# Altium PCB 单相7.2V驱动.PcbDoc (continued)
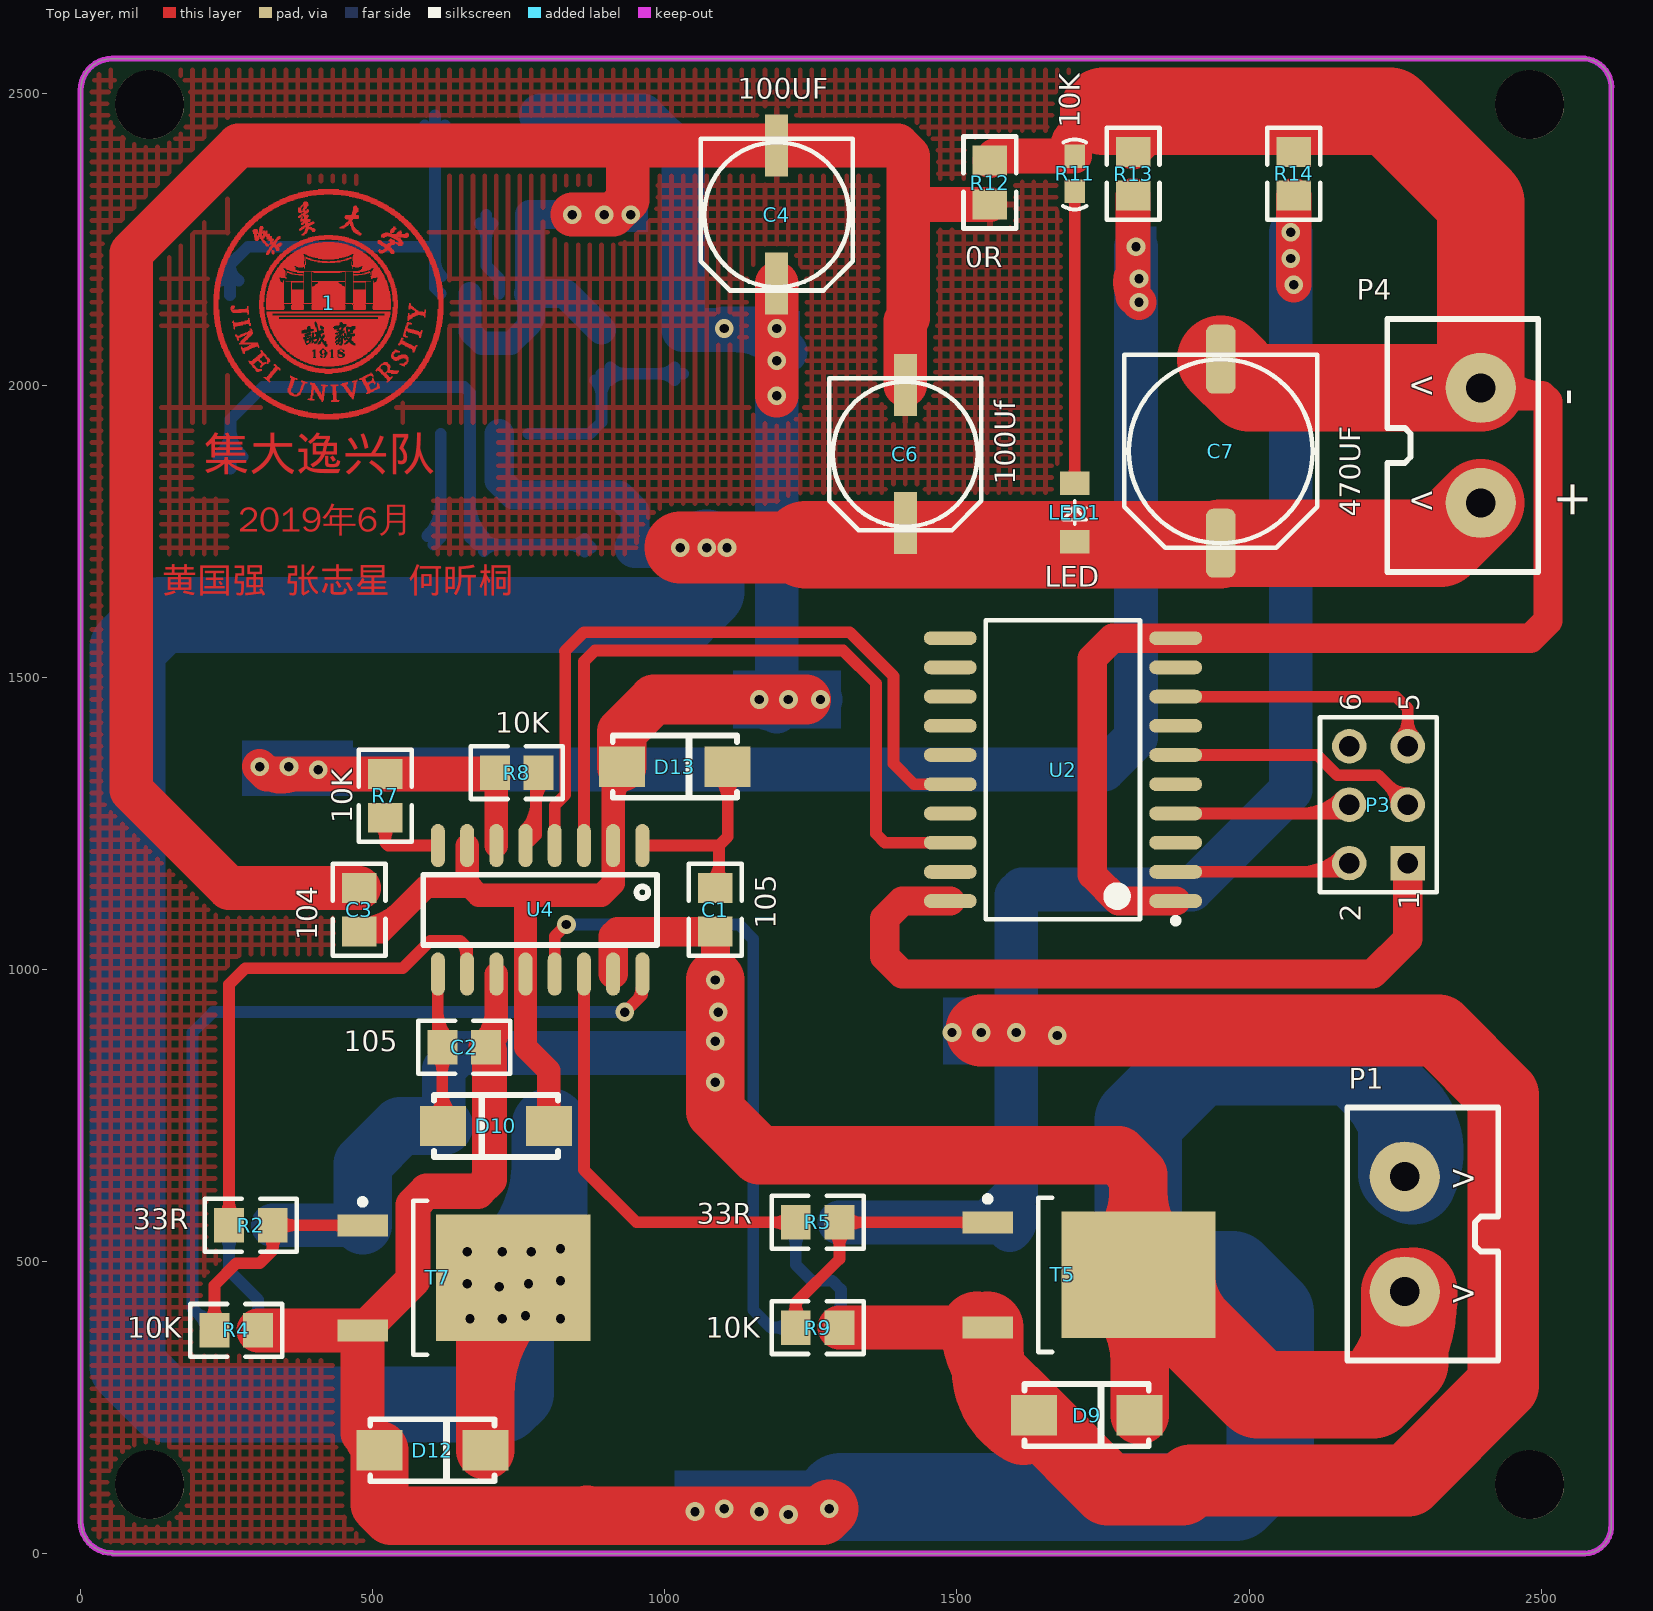
[diagram p0: Top Layer view]
## Footprints (in the part's own frame and the unit in brackets; to place one, negate y for a bottom-side part, rotate by r counter-clockwise, add the part's x,y. Pads: shape width x height; smd on the part's side, far side on the other; paste and mask are expansions set on the pad) (continued)
  Top Layer region: 114.8,-79.9 116.8,-79.9 116.8,-80.9 118.8,-80.9 118.8,-81.9 120.8,-81.9 120.8,-83.9 112.8,-83.9 112.8,-84.9 111.8,-84.9 111.8,-85.9 110.8,-85.9 110.8,-86.9 109.8,-86.9 109.8,-89.9 110.8,-89.9 110.8,-90.9 111.8,-90.9 111.8,-91.9 116.8,-91.9 116.8,-90.9 118.8,-90.9 118.8,-89.9 120.8,-89.9 120.8,-88.9 123.8,-88.9 123.8,-87.9 131.8,-87.9 131.8,-88.9 132.8,-88.9 132.8,-89.9 133.8,-89.9 133.8,-90.9 134.8,-90.9 134.8,-91.9 135.8,-91.9 135.8,-99.9 134.8,-99.9 134.8,-100.9 133.8,-100.9 133.8,-102.9 132.8,-102.9 132.8,-103.9 131.8,-103.9 131.8,-104.9 129.8,-104.9 129.8,-107.9 127.8,-107.9 127.8,-106.9 125.8,-106.9 125.8,-105.9 123.8,-105.9 123.8,-104.9 120.8,-104.9 120.8,-102.9 128.8,-102.9 128.8,-101.9 130.8,-101.9 130.8,-100.9 131.8,-100.9 131.8,-99.9 132.8,-99.9 132.8,-95.9 131.8,-95.9 131.8,-93.9 128.8,-93.9 128.8,-92.9 126.8,-92.9 126.8,-93.9 123.8,-93.9 123.8,-94.9 121.8,-94.9 121.8,-95.9 119.8,-95.9 119.8,-96.9 115.8,-96.9 115.8,-97.9 113.8,-97.9 113.8,-96.9 110.8,-96.9 110.8,-95.9 109.8,-95.9 109.8,-94.9 108.8,-94.9 108.8,-93.9 107.8,-93.9 107.8,-91.9 106.8,-91.9 106.8,-87.9 107.8,-87.9 107.8,-85.9 108.8,-85.9 108.8,-83.9 109.8,-83.9 109.8,-82.9 110.8,-82.9 110.8,-81.9 112.8,-81.9 112.8,-78.9 114.8,-78.9
  Top Layer region: 48.8,-132.9 47.8,-132.9 47.8,-133.9 46.8,-133.9 46.8,-137.9 45.8,-137.9 45.8,-143.9 44.8,-143.9 44.8,-149.9 43.8,-149.9 43.8,-154.9 42.8,-154.9 42.8,-155.9 43.8,-155.9 43.8,-156.9 42.8,-156.9 42.8,-161.9 41.8,-161.9 41.8,-163.9 40.8,-163.9 40.8,-162.9 39.8,-162.9 39.8,-161.9 38.8,-161.9 38.8,-160.9 37.8,-160.9 37.8,-159.9 36.8,-159.9 36.8,-157.9 35.8,-157.9 35.8,-156.9 34.8,-156.9 34.8,-155.9 33.8,-155.9 33.8,-153.9 32.8,-153.9 32.8,-152.9 31.8,-152.9 31.8,-151.9 30.8,-151.9 30.8,-149.9 29.8,-149.9 29.8,-148.9 28.8,-148.9 28.8,-146.9 27.8,-146.9 27.8,-145.9 26.8,-145.9 26.8,-144.9 25.8,-144.9 25.8,-142.9 24.8,-142.9 24.8,-141.9 23.8,-141.9 23.8,-140.9 22.8,-140.9 22.8,-139.9 19.8,-139.9 19.8,-137.9 22.8,-137.9 22.8,-136.9 26.8,-136.9 26.8,-135.9 30.8,-135.9 30.8,-134.9 31.8,-134.9 31.8,-137.9 28.8,-137.9 28.8,-138.9 29.8,-138.9 29.8,-140.9 30.8,-140.9 30.8,-142.9 31.8,-142.9 31.8,-143.9 32.8,-143.9 32.8,-144.9 33.8,-144.9 33.8,-146.9 34.8,-146.9 34.8,-147.9 35.8,-147.9 35.8,-148.9 36.8,-148.9 36.8,-150.9 37.8,-150.9 37.8,-151.9 38.8,-151.9 38.8,-152.9 39.8,-152.9 39.8,-153.9 40.8,-153.9 40.8,-148.9 41.8,-148.9 41.8,-143.9 42.8,-143.9 42.8,-136.9 43.8,-136.9 43.8,-134.9 39.8,-134.9 39.8,-132.9 42.8,-132.9 42.8,-131.9 47.8,-131.9 47.8,-130.9 48.8,-130.9
  Top Layer region: 136.8,-32.9 139.8,-32.9 139.8,-33.9 141.8,-33.9 141.8,-35.9 135.8,-35.9 135.8,-37.9 134.8,-37.9 134.8,-39.9 133.8,-39.9 133.8,-41.9 134.8,-41.9 134.8,-42.9 137.8,-42.9 137.8,-43.9 140.8,-43.9 140.8,-44.9 144.8,-44.9 144.8,-45.9 147.8,-45.9 147.8,-46.9 150.8,-46.9 150.8,-47.9 153.8,-47.9 153.8,-48.9 156.8,-48.9 156.8,-47.9 157.8,-47.9 157.8,-45.9 159.8,-45.9 159.8,-48.9 158.8,-48.9 158.8,-51.9 157.8,-51.9 157.8,-55.9 156.8,-55.9 156.8,-58.9 154.8,-58.9 154.8,-54.9 153.8,-54.9 153.8,-53.9 151.8,-53.9 151.8,-52.9 148.8,-52.9 148.8,-51.9 145.8,-51.9 145.8,-50.9 142.8,-50.9 142.8,-49.9 138.8,-49.9 138.8,-48.9 135.8,-48.9 135.8,-47.9 132.8,-47.9 132.8,-46.9 131.8,-46.9 131.8,-49.9 130.8,-49.9 130.8,-53.9 131.8,-53.9 131.8,-55.9 133.8,-55.9 133.8,-56.9 134.8,-56.9 134.8,-57.9 130.8,-57.9 130.8,-56.9 127.8,-56.9 127.8,-55.9 126.8,-55.9 126.8,-53.9 127.8,-53.9 127.8,-49.9 128.8,-49.9 128.8,-46.9 129.8,-46.9 129.8,-43.9 130.8,-43.9 130.8,-40.9 131.8,-40.9 131.8,-37.9 132.8,-37.9 132.8,-33.9 133.8,-33.9 133.8,-31.9 136.8,-31.9
  Top Layer region: -162.2,-4.9 -161.2,-4.9 -161.2,-6.9 -162.2,-6.9 -162.2,-7.9 -163.2,-7.9 -163.2,-8.9 -165.2,-8.9 -165.2,-10.9 -154.2,-10.9 -154.2,-9.9 -142.2,-9.9 -142.2,-8.9 -140.2,-8.9 -140.2,-4.9 -138.2,-4.9 -138.2,-11.9 -137.2,-11.9 -137.2,-17.9 -138.2,-17.9 -138.2,-18.9 -139.2,-18.9 -139.2,-15.9 -140.2,-15.9 -140.2,-14.9 -150.2,-14.9 -150.2,-15.9 -164.2,-15.9 -164.2,-14.9 -165.2,-14.9 -165.2,-13.9 -166.2,-13.9 -166.2,-12.9 -167.2,-12.9 -167.2,-10.9 -168.2,-10.9 -168.2,-6.9 -167.2,-6.9 -167.2,-4.9 -166.2,-4.9 -166.2,-3.9 -162.2,-3.9
  Top Layer region: 125.8,-59.9 126.8,-59.9 126.8,-60.9 125.8,-60.9 125.8,-63.9 126.8,-63.9 126.8,-64.9 128.8,-64.9 128.8,-65.9 130.8,-65.9 130.8,-66.9 132.8,-66.9 132.8,-67.9 134.8,-67.9 134.8,-68.9 136.8,-68.9 136.8,-69.9 138.8,-69.9 138.8,-70.9 140.8,-70.9 140.8,-71.9 142.8,-71.9 142.8,-72.9 144.8,-72.9 144.8,-73.9 147.8,-73.9 147.8,-72.9 148.8,-72.9 148.8,-71.9 150.8,-71.9 150.8,-72.9 149.8,-72.9 149.8,-74.9 148.8,-74.9 148.8,-77.9 147.8,-77.9 147.8,-79.9 146.8,-79.9 146.8,-81.9 145.8,-81.9 145.8,-83.9 143.8,-83.9 143.8,-78.9 142.8,-78.9 142.8,-77.9 140.8,-77.9 140.8,-76.9 137.8,-76.9 137.8,-75.9 136.8,-75.9 136.8,-74.9 134.8,-74.9 134.8,-73.9 132.8,-73.9 132.8,-72.9 130.8,-72.9 130.8,-71.9 128.8,-71.9 128.8,-70.9 126.8,-70.9 126.8,-69.9 124.8,-69.9 124.8,-68.9 122.8,-68.9 122.8,-69.9 121.8,-69.9 121.8,-70.9 120.8,-70.9 120.8,-71.9 119.8,-71.9 119.8,-70.9 118.8,-70.9 118.8,-69.9 119.8,-69.9 119.8,-67.9 120.8,-67.9 120.8,-65.9 121.8,-65.9 121.8,-63.9 122.8,-63.9 122.8,-61.9 123.8,-61.9 123.8,-59.9 124.8,-59.9 124.8,-58.9 125.8,-58.9
  Top Layer region: -136.2,-28.9 -135.2,-28.9 -135.2,-33.9 -134.2,-33.9 -134.2,-37.9 -136.2,-37.9 -136.2,-35.9 -137.2,-35.9 -137.2,-34.9 -142.2,-34.9 -142.2,-35.9 -147.2,-35.9 -147.2,-36.9 -152.2,-36.9 -152.2,-37.9 -157.2,-37.9 -157.2,-38.9 -160.2,-38.9 -160.2,-39.9 -161.2,-39.9 -161.2,-43.9 -162.2,-43.9 -162.2,-42.9 -163.2,-42.9 -163.2,-37.9 -164.2,-37.9 -164.2,-32.9 -165.2,-32.9 -165.2,-30.9 -164.2,-30.9 -164.2,-29.9 -163.2,-29.9 -163.2,-31.9 -162.2,-31.9 -162.2,-32.9 -161.2,-32.9 -161.2,-33.9 -160.2,-33.9 -160.2,-32.9 -154.2,-32.9 -154.2,-31.9 -150.2,-31.9 -150.2,-30.9 -144.2,-30.9 -144.2,-29.9 -140.2,-29.9 -140.2,-28.9 -138.2,-28.9 -138.2,-24.9 -136.2,-24.9
  Top Layer region: -92.2,-104.9 -91.2,-104.9 -91.2,-105.9 -90.2,-105.9 -90.2,-106.9 -89.2,-106.9 -89.2,-107.9 -88.2,-107.9 -88.2,-108.9 -86.2,-108.9 -86.2,-109.9 -85.2,-109.9 -85.2,-110.9 -84.2,-110.9 -84.2,-111.9 -83.2,-111.9 -83.2,-113.9 -85.2,-113.9 -85.2,-112.9 -88.2,-112.9 -88.2,-113.9 -89.2,-113.9 -89.2,-114.9 -90.2,-114.9 -90.2,-115.9 -91.2,-115.9 -91.2,-116.9 -92.2,-116.9 -92.2,-118.9 -93.2,-118.9 -93.2,-119.9 -94.2,-119.9 -94.2,-120.9 -95.2,-120.9 -95.2,-121.9 -96.2,-121.9 -96.2,-122.9 -97.2,-122.9 -97.2,-124.9 -98.2,-124.9 -98.2,-125.9 -99.2,-125.9 -99.2,-126.9 -100.2,-126.9 -100.2,-127.9 -101.2,-127.9 -101.2,-129.9 -102.2,-129.9 -102.2,-131.9 -101.2,-131.9 -101.2,-132.9 -100.2,-132.9 -100.2,-133.9 -101.2,-133.9 -101.2,-134.9 -102.2,-134.9 -102.2,-133.9 -103.2,-133.9 -103.2,-132.9 -104.2,-132.9 -104.2,-131.9 -105.2,-131.9 -105.2,-130.9 -107.2,-130.9 -107.2,-129.9 -108.2,-129.9 -108.2,-128.9 -109.2,-128.9 -109.2,-127.9 -110.2,-127.9 -110.2,-126.9 -111.2,-126.9 -111.2,-125.9 -108.2,-125.9 -108.2,-126.9 -106.2,-126.9 -106.2,-125.9 -105.2,-125.9 -105.2,-124.9 -104.2,-124.9 -104.2,-123.9 -103.2,-123.9 -103.2,-121.9 -102.2,-121.9 -102.2,-120.9 -101.2,-120.9 -101.2,-119.9 -100.2,-119.9 -100.2,-118.9 -99.2,-118.9 -99.2,-116.9 -98.2,-116.9 -98.2,-115.9 -97.2,-115.9 -97.2,-114.9 -96.2,-114.9 -96.2,-113.9 -95.2,-113.9 -95.2,-112.9 -94.2,-112.9 -94.2,-110.9 -93.2,-110.9 -93.2,-109.9 -92.2,-109.9 -92.2,-106.9 -93.2,-106.9 -93.2,-105.9 -94.2,-105.9 -94.2,-104.9 -93.2,-104.9 -93.2,-103.9 -92.2,-103.9
  Top Layer region: 15.8,-140.9 12.8,-140.9 12.8,-141.9 11.8,-141.9 11.8,-149.9 12.8,-149.9 12.8,-163.9 13.8,-163.9 13.8,-165.9 17.8,-165.9 17.8,-166.9 16.8,-166.9 16.8,-167.9 3.8,-167.9 3.8,-166.9 4.8,-166.9 4.8,-165.9 7.8,-165.9 7.8,-155.9 6.8,-155.9 6.8,-141.9 4.8,-141.9 4.8,-140.9 2.8,-140.9 2.8,-138.9 15.8,-138.9
  Top Layer region: 113.8,129.1 114.8,129.1 114.8,127.1 113.8,127.1 113.8,126.1 112.8,126.1 112.8,125.1 111.8,125.1 111.8,123.1 110.8,123.1 110.8,122.1 109.8,122.1 109.8,121.1 107.8,121.1 107.8,120.1 105.8,120.1 105.8,121.1 104.8,121.1 104.8,124.1 105.8,124.1 105.8,126.1 106.8,126.1 106.8,127.1 107.8,127.1 107.8,128.1 108.8,128.1 108.8,129.1 109.8,129.1 109.8,131.1 113.8,131.1
  Top Layer region: -32.2,130.1 -29.2,130.1 -29.2,129.1 -26.2,129.1 -26.2,128.1 -24.2,128.1 -24.2,127.1 -23.2,127.1 -23.2,124.1 -24.2,124.1 -24.2,123.1 -28.2,123.1 -28.2,124.1 -29.2,124.1 -29.2,126.1 -31.2,126.1 -31.2,127.1 -33.2,127.1 -33.2,128.1 -34.2,128.1 -34.2,130.1 -33.2,130.1 -33.2,131.1 -32.2,131.1
  Top Layer region: -81.2,102.1 -80.2,102.1 -80.2,101.1 -81.2,101.1 -81.2,99.1 -82.2,99.1 -82.2,98.1 -84.2,98.1 -84.2,97.1 -85.2,97.1 -85.2,96.1 -87.2,96.1 -87.2,97.1 -86.2,97.1 -86.2,99.1 -87.2,99.1 -87.2,98.1 -89.2,98.1 -89.2,100.1 -88.2,100.1 -88.2,101.1 -87.2,101.1 -87.2,102.1 -86.2,102.1 -86.2,103.1 -84.2,103.1 -84.2,104.1 -81.2,104.1
  Top Layer region: -95.2,90.1 -93.2,90.1 -93.2,85.1 -94.2,85.1 -94.2,84.1 -96.2,84.1 -96.2,85.1 -97.2,85.1 -97.2,86.1 -98.2,86.1 -98.2,91.1 -95.2,91.1
  Top Layer region: -21.2,-62.9 -22.2,-62.9 -22.2,-63.9 -23.2,-63.9 -23.2,-64.9 -25.2,-64.9 -25.2,-63.9 -26.2,-63.9 -26.2,-61.9 -23.2,-61.9 -23.2,-60.9 -21.2,-60.9
  Top Layer region: -24.2,-52.9 -23.2,-52.9 -23.2,-53.9 -22.2,-53.9 -22.2,-54.9 -23.2,-54.9 -23.2,-55.9 -24.2,-55.9 -24.2,-56.9 -25.2,-56.9 -25.2,-51.9 -24.2,-51.9
  Top Layer region: -34.2,-65.9 -35.2,-65.9 -35.2,-66.9 -38.2,-66.9 -38.2,-64.9 -36.2,-64.9 -36.2,-63.9 -34.2,-63.9
  Top Layer region: 35.8,-46.9 34.8,-46.9 34.8,-47.9 32.8,-47.9 32.8,-44.9 35.8,-44.9
  Top Layer region: 16.8,-52.9 15.8,-52.9 15.8,-51.9 16.8,-51.9
LED(0805) [mil]
  rect 40x50 smd: 1(-50,0) 2(50,0)
  silkscreen extent -20,-20 20,20, body extent -37,-24 43,25, height 43
MA34063 [mil]
  oval 80x24 smd: 1(-125,70) 2(-125,20) 3(-125,-30) 4(-125,-80) 5(115,-80) 6(115,-30) 7(115,20) 8(115,70)
  silkscreen extent -80,-100 70,90, body extent -123,-101 113,92, height 61
二极管 [mm]
  rect 2x1.75 smd: 1(-2.413,0) 2(2.187,0)
  silkscreen extent -2.81,-1.35 2.59,1.35, body extent -2.61,-1.34 2.49,1.33, height 2.12
接线端子 [mil]
  round 120 hole 50: 1(-98.43,0) 2(98.43,0)
  silkscreen extent -217,-160 217,98, body extent -197,-219 197,96, height 433
电感（220uh） [mm]
  rect 2x2.5 smd: 1(-3.81,-0.127) 2(3.734,-0.152)
  silkscreen extent -3.5,-3.5 3.48,3.5, body extent -3.47,-3.54 3.83,3.76, height 4.5

## Part data
P3: "Header, 3-Pin, Dual row"

## Free pads (board coordinates)
  round 118.11 hole 118.11: 1(118.11,118.11) 1(118.11,2480.32) 1(2480.32,118.11) 1(2480.32,2480.32)

## Via types
v1: diameter 32, hole 16, Top Layer to Bottom Layer, 49 vias

## Nets (pads, with @x,y where several pads share a name; then routed paths per layer and width w, separated by ;. In a path a pad name is that pad's centre, name@x,y a point inside that pad or via, vN(x,y) a via of type N, cw(c..) or ccw(c..) an arc to the next point about the centre after c; other vN are vias at no path point)
5V: P3.1 U2.20 | length 1251.8
  Top Layer w50: U2.20 1406.5,1117.05 1376.5,1087.05 1376.5,1022.05 1406.5,992.05 2211.5,992.05 2271.5,1052.05 P3.1
7.2V: C6.1 C7.1 D11.2 D12.2 LED1.1 P4.2 R15.1 T7.2 T8.2 U1.6 | length 6285
  Top Layer w100: D12.2 T7.2@692.6,424.21 ; 692.6,272.92 cw(c915.94,272.92) T7.2@758.01,430.85
  Top Layer w123: v1(1026.5,1722.05) v1(1071.5,1722.05) v1(1106.5,1722.05) 1236.5,1722.05 1241.5,1727.05
  Top Layer w150: 1241.5,1727.05 1948.98,1727.05 C7.1 2327.44,1729.57 P4.2
  Bottom Layer w50: U1.6 716.5,1837.05 741.5,1812.05 921.5,1812.05 948.9,1784.65 R15.1
  Bottom Layer w70: R15.1 v1(1026.5,1722.05)
  Bottom Layer w130: T8.2@733.46,502.64 ccw(c566.55,669.56) 802.6,669.56 ; D11.2 802.6,498.15 v1(766.5,462.05) 745,440.55 745,399.16 745,316.39 745,275 725,255 145,255 80,320 80,1550.55 136.5,1607.05 1031.5,1607.05 1071.5,1647.05 v1(1071.5,1722.05) ; T8.2@709.84,441.45 cw(c624.95,356.56) 745,356.56 ; T8.2@709.84,441.45 cw(c624.95,356.56) 745,356.56 ; T8.2@709.84,441.45 cw(c624.95,356.56) 745,356.56
  other v1: 666.5,402.05 721.5,402.05 821.5,402.05 761.5,407.05 716.5,457.05 661.5,462.05 821.5,467.05 661.5,517.05 721.5,517.05 771.5,517.05 821.5,522.05
12V: C3.2 C4.1 D1.2 D10.1 D13.1 R18.2 U4.2 U4.7 U4.12 | length 3696.6
  Top Layer w40: C3.2 514.09,1064.65 591.5,1142.05 656.5,1142.05 661.5,1147.05 ; C3.2@480.43,1070.24 ccw(c480.43,1165) 547.44,1097.99 ; U4.7 661.5,1147.05 ; D10.1@791.28,742.26 ccw(c766.61,766.93) 801.5,766.93 ccw(c836.38,766.93) D10.1@811.71,742.26 ; D10.1 801.5,827.05 761.5,867.05 U4.12 761.5,1127.05 ; 911.5,1287.83 cw(c980.79,1287.83) D13.1@931.79,1336.83 ; D13.1 911.5,1332.05 U4.2 911.5,1147.05 891.5,1127.05 761.5,1127.05 ; 661.5,1147.05 681.5,1127.05 761.5,1127.05
  Top Layer w75: v1(1191.5,1982.05) v1(1191.5,2097.05) C4.1
  Top Layer w85: D13.1 926.5,1407.05 981.5,1462.05 v1(1161.5,1462.05) v1(1211.5,1462.05) 1241.5,1462.05
  Bottom Layer w75: D1.2 961.5,2462.05 1031.5,2392.05 R18.2 v1@1188.9,2094.45 ; v1(1101.5,2097.05) v1(1191.5,2097.05) 1191.5,1492.05 1221.5,1462.05 v1(1266.5,1462.05) ; v1@1116.89,2094.45 cw(c1116.89,1967.44) 1206.7,2057.25 ; 1176.7,1477.25 cw(c1140.98,1441.53) 1191.5,1441.53 ; 1176.7,1446.84 ccw(c1140.98,1482.57) 1191.5,1482.57 cw(c1140.98,1482.57) 1176.7,1446.84 ; 1191.5,1458.43 ccw(c1207.87,1458.43) 1196.29,1446.84 cw(c1207.87,1458.43) 1191.5,1458.43
  other v1: 1191.5,2042.05
AGND: C3.1 C4.2 C5.1 C6.2 R12.2 R17.1 U1.2 U1.4 | length 4288.8
  Top Layer w60: 1424.09,2309.65 R12.2
  Top Layer w75: C3.1 254.09,1139.45 86.5,1307.05 86.5,2226.5 270.16,2410.16 936.5,2410.16 ; v1(841.5,2292.05) v1(896.5,2292.05) 911.5,2292.05 936.5,2317.05 936.5,2410.16 ; C6.2 1411.5,2110.16 ; 1416.5,2115.16 1416.5,2302.05 ; 1424.09,2309.65 1416.5,2302.05 ; 936.5,2410.16 C4.2 1398.39,2410.16 1416.5,2392.05 1416.5,2302.05
  Bottom Layer w40: U1.2 666.5,2092.05 686.5,2072.05 736.5,2072.05 766.5,2102.05 ; 761.06,2096.61 ccw(c728.63,2129.05) U1.4@774.5,2129.05 ; U1.4 766.5,2102.05 ; U1.4@774.21,2131.16 cw(c745.3,2123.24) 766.5,2102.05
  Bottom Layer w50: R17.1 828.9,2157.05 U1.4 768.9,2159.45 C5.1 v1(841.5,2292.05) v1(896.5,2292.05) v1(941.5,2292.05)
CH1: P3.2 U2.2 | length 419.9
  Top Layer w20: U2.2 2156.5,1167.05 P3.2 ; 2088.14,1167.05 ccw(c2088.14,1265.4) P3.2@2157.69,1195.86 ; 2136.42,1167.05 ccw(c2136.42,1217.12) P3.2@2171.83,1181.71
CH2: P3.4 U2.4 | length 419.9
  Top Layer w20: U2.4 2156.5,1267.05 P3.4 ; 2088.14,1267.05 ccw(c2088.14,1365.4) P3.4@2157.69,1295.86 ; 2136.42,1267.05 ccw(c2136.42,1317.12) P3.4@2171.83,1281.71
CH3: P3.3 U2.6 | length 506.3
  Top Layer w20: U2.6 2116.45,1367.05 2150.98,1332.52 2221.02,1332.52 P3.3 ; P3.3@2251.97,1282.05 ccw(c2204.83,1282.05) 2238.16,1315.38 ccw(c2271.5,1348.72) P3.3@2271.5,1301.57
CH4: P3.5 U2.8 | length 544.4
  Top Layer w20: U2.8 2251.5,1467.05 2271.5,1447.05 P3.5 ; P3.5@2257.69,1395.86 ccw(c2224.35,1429.19) 2271.5,1429.19 ccw(c2318.64,1429.19) P3.5@2285.3,1395.86
DGND: R7.1 R8.1 R13.2 U4.6 | length 3179
  Top Layer w40: U4.6 R8.1@711.5,1334.65
  Top Layer w45: R8.1@706.5,1334.45 R8.1 R8.1@711.5,1334.65
  Top Layer w60: v1@360.65,1333.68 cw(c344.64,1385.19) v1(306.5,1347.05) 319.09,1334.45 406.5,1334.45 R7.1 R8.1@706.5,1334.45 ; v1@1797.65,2184.14 ccw(c1846.24,2176.8) v1(1811.5,2142.05) 1801.5,2152.05 R13.2
  Bottom Layer w75: v1@316.5,1342.05 v1(406.5,1342.05) 1751.5,1342.05 1806.5,1397.05 v1(1806.5,2237.05)
  other v1: 356.5,1347.05 1811.5,2182.05
GND: C7.2 P4.1 R11.1 R12.1 R13.1 R14.1 U2.1 U2.10 | length 3829.9
  Top Layer w50: U2.1 1776.5,1117.05 1731.5,1162.05 1731.5,1532.05 1766.5,1567.05 U2.10 2481.5,1567.05 2511.5,1597.05 2511.5,1972.05 2501.5,1982.05 ; P4.1 2409.92,1982.05 2501.5,1982.05 ; P4.1@2423.12,2018.19 ccw(c2501.49,2085.08) 2501.49,1982.05
  Top Layer w60: R12.1 1564.09,2392.05 R11.1 1701.5,2432.05 ; R11.1@1689,2394.55 cw(c1749.35,2394.55) 1706.67,2437.22 ; R11.1@1689.21,2392.22 cw(c1733.02,2400.52) 1701.5,2432.05 ; 1731.5,2462.05 1701.5,2432.05 ; R13.1 1864.09,2462.05
  Top Layer w150: 1751.5,2469.06 2240.94,2469.06 2396.5,2313.5 P4.1 2000.55,1995.47 C7.2
M1: C1.2 D9.2 D11.1 P1.1 R3.2 T5.2 T8.3 U4.15 | length 4156.6
  Top Layer w50: U4.15 911.5,1057.05 919.09,1064.65 C1.2 v1@1086.5,992.05
  Top Layer w100: v1(1086.5,982.05) v1(1086.5,877.05) v1(1086.5,807.05) 1086.5,757.05 1161.5,682.05 1776.5,682.05 1810.43,648.11 T5.2 ; T5.2@1769.23,435.85 cw(c1664.54,331.15) 1812.6,331.15 ; T5.2@1769.23,518.25 ccw(c1669.76,617.72) 1810.43,617.72 ccw(c1951.1,617.72) T5.2@1851.63,518.25 ; D9.2 T5.2@1812.6,474.88 ; 1812.6,341.6 cw(c1945.88,341.6) T5.2@1851.63,435.85
  Top Layer w150: T5.2 1812.6,474.88 2015.43,272.05 2211.5,272.05 ; T5.2@1867.32,477.05 ccw(c2004.67,477.05) T5.2@1907.55,379.93 ; P1.1 2266.5,327.05 2211.5,272.05 ; P1.1@2281.49,449.11 cw(c2042.24,441.32) 2211.5,272.05
  Bottom Layer w75: R3.2 T8.3@482.32,562.05 ; D11.1 621.5,829.55 649,857.05 1066.5,857.05 v1(1086.5,877.05)
  Bottom Layer w100: T8.3 482.56,667.56 547.05,732.05 D11.1
  other v1: 1091.5,927.05
M2: C2.2 D8.2 D12.1 P1.2 R4.2 T6.2 T7.3 U4.11 | length 4874.4
  Top Layer w40: C2.2@689.94,874.94 ccw(c637.91,926.97) 711.5,926.97 ; C2.2 711.5,884.65 U4.11
  Top Layer w60: T7.3 568.54,468.27 568.54,596.88 591.97,620.31 679.76,620.31 699.76,640.32 699.76,861.18 C2.2 ; T7.3@495.87,382.28 cw(c527.99,382.28) 505.28,405
  Top Layer w75: R4.2 482.32,382.05 T7.3 482.56,205.98 D12.1 ; 482.56,227.66 ccw(c557.19,227.66) D12.1@504.42,174.89
  Top Layer w100: D12.1 511.5,85 531.5,65 864.73,65 ; 866.78,67.05 864.73,65 ; v1(1281.5,77.05) 1269.45,65 1101.5,65 864.73,65
  Bottom Layer w150: 1301.5,97.05 1976.5,97.05 2036.5,157.05 2036.5,412.05 ; T6.2@1847.69,446.7 cw(c1916.98,292.54) 2036.49,412.05 ; 2213.21,810.34 cw(c2048.35,645.47) P1.2@2281.5,645.47 ; P1.2 2261.5,650.47 2261.5,762.05 ; P1.2@2279.71,638.37 ccw(c2187.41,687.96) 2261.5,762.04 ; 2036.5,412.05 1971.5,477.05 T6.2 1810.43,740.98 1911.5,842.05 2181.5,842.05 2261.5,762.05
  other v1: 1211.5,67.05 1051.5,72.05 1161.5,72.05 1101.5,77.05
NetC1_1: C1.1 D13.2 U4.1 | length 499.3
  Top Layer w20: U4.1 1092.6,1212.05 ; C1.1@1079.41,1150.47 ccw(c1047.57,1182.31) 1092.6,1182.31 ; C1.1 1092.6,1145.55 1092.6,1212.05 ; D13.2@1090.31,1329.76 cw(c1048.57,1288.02) 1107.6,1288.02 cw(c1166.62,1288.02) D13.2@1124.89,1329.76 ; 1092.6,1171.86 ccw(c1122.84,1171.86) C1.1@1101.46,1150.47 ; D13.2 1107.6,1227.05 1092.6,1212.05
NetC2_1: C2.1 D10.2 U4.9 | length 465.5
  Top Layer w20: D10.2@603.11,749.34 ccw(c564.51,787.93) 619.09,787.93 ; C2.1@608.07,852.09 cw(c581.46,825.47) 619.09,825.47 cw(c656.73,825.47) C2.1@630.12,852.09 ; 611.5,926.97 ccw(c675.08,926.97) C2.1@630.12,882.01 ; U4.9 611.5,874.65 C2.1 619.09,733.35 D10.2 ; 619.09,794.21 ccw(c682.56,794.21) D10.2@637.68,749.34
NetC5_2: C5.2 U1.3 | length 203.4
  Bottom Layer w20: C5.2@683.07,2277.09 cw(c656.46,2250.47) 694.09,2250.47 cw(c731.73,2250.47) C5.2@705.12,2277.09 ; C5.2 694.09,2204.45 716.5,2182.05 U1.3
NetD1_1: D1.1 L1.2 U1.1 | length 912.8
  Bottom Layer w20: L1.2@240.33,2179.2 ccw(c224.15,2206.05) 255.5,2206.05 ; L1.2 255.5,2206.05 ; L1.2@270.66,2179.2 cw(c286.84,2206.05) 255.5,2206.05 ; D1.1@589.21,2444.76 cw(c547.47,2403.02) 606.5,2403.02 cw(c665.52,2403.02) D1.1@623.78,2444.76 ; 606.5,2214.02 ccw(c645.47,2214.02) U1.1@617.91,2186.46 ; D1.1 606.5,2237.05 ; U1.1 606.5,2167.05 606.5,2237.05 ; 255.5,2206.05 286.5,2237.05 606.5,2237.05
NetL1_1: L1.1 R15.2 R16.2 U1.7 | length 1276.8
  Bottom Layer w20: L1.1@235.73,1877.81 ccw(c185.59,1927.95) 256.5,1927.95 ccw(c327.4,1927.95) L1.1@277.26,1877.81 ; L1.1 256.5,1942.05 311.5,1997.05 656.5,1997.05 666.5,1987.05 U1.7 666.5,1739.45 R16.2 869.09,1727.05 R15.2 ; 666.5,1798.56 ccw(c746.48,1798.56) R16.2@689.92,1742.01 ; R16.2@689.92,1716.02 cw(c716.54,1689.41) 716.54,1727.05 cw(c716.54,1764.69) R16.2@689.92,1738.07 ; 833.89,1727.05 cw(c833.89,1685.78) R15.2@863.07,1714.96 ; 839.02,1727.05 ccw(c839.02,1761.06) R15.2@863.07,1737.01
NetLED1_2: LED1.2 R11.2 | length 566.4
  Top Layer w20: LED1.2@1694.43,1839.12 ccw(c1677.35,1856.19) 1701.5,1856.19 ccw(c1725.64,1856.19) LED1.2@1708.57,1839.12 ; R11.2@1696.19,2324.24 cw(c1683.39,2311.44) 1701.5,2311.44 cw(c1719.6,2311.44) R11.2@1706.8,2324.24 ; LED1.2 R11.2
NetR1_1: R1.1 U4.16 | length 1439.4
  Top Layer w20: v1(931.5,927.05) 961.5,957.05 U4.16 ; 951.01,946.56 ccw(c930.53,967.05) U4.16@959.5,967.05
  Bottom Layer w20: 195.76,415.38 ccw(c229.09,448.72) R1.1@229.09,401.57 ; R1.1@205.26,405.88 cw(c185.37,385.98) R1.1@213.5,385.98 ; R1.1 191.5,419.65 191.5,892.05 226.5,927.05 v1(931.5,927.05)
NetR1_2: R1.2 R3.1 T8.1 | length 590
  Bottom Layer w20: R3.1@243.07,547.09 cw(c216.46,520.47) 254.09,520.47 cw(c291.73,520.47) R3.1@265.12,547.09 ; R3.1 254.09,484.45 303.9,434.65 R1.2 ; R1.2@292.87,397.01 ccw(c266.26,423.62) 303.9,423.62 ccw(c341.54,423.62) R1.2@314.92,397.01 ; R1.2@304.09,382.24 R1.2 ; R1.2@314.92,371.02 cw(c341.54,344.41) 341.54,382.05 cw(c341.54,419.69) R1.2@314.92,393.07 ; 436.38,382.05 ccw(c436.38,403.86) T8.1@451.8,388.44 ; 437.52,382.05 cw(c437.52,361.85) T8.1@451.8,376.13 ; T8.1 482.32,382.05 R1.2
NetR2_1: R2.1 R4.1 T7.1 | length 608.6
  Top Layer w20: R4.1@218.07,397.01 ccw(c191.46,423.62) 229.09,423.62 ccw(c266.73,423.62) R4.1@240.12,397.01 ; R4.1 229.09,459.65 266.5,497.05 306.5,497.05 328.9,519.45 R2.1 T7.1@482.32,562.05 ; R2.1@317.87,547.09 cw(c291.26,520.47) 328.9,520.47 cw(c366.54,520.47) R2.1@339.92,547.09 ; R2.1@339.92,551.02 cw(c366.54,524.41) 366.54,562.05 cw(c366.54,599.69) R2.1@339.92,573.07 ; 436.38,562.05 cw(c436.38,540.24) T7.1@451.8,555.66 ; 437.52,562.05 ccw(c437.52,582.25) T7.1@451.8,567.96
NetR2_2: R2.2 U4.10 | length 994.4
  Top Layer w20: R2.2@243.07,577.01 ccw(c216.46,603.62) 254.09,603.62 ccw(c291.73,603.62) R2.2@265.12,577.01 ; R2.2 254.09,974.65 281.5,1002.05 551.24,1002.05 598.24,1049.05 649.5,1049.05 ; U4.10@659.53,1017.39 ccw(c624,1023.55) 649.5,1049.05 ; U4.10 661.5,1037.05 649.5,1049.05
NetR5_1: R5.1 R9.1 T5.1 | length 675.1
  Top Layer w20: R9.1@1213.07,402.01 ccw(c1186.46,428.62) 1224.09,428.62 ccw(c1261.73,428.62) R9.1@1235.12,402.01 ; R9.1 1224.09,429.65 1298.9,504.45 R5.1 1552.32,567.05 T5.1 ; R5.1@1287.87,552.09 cw(c1261.26,525.47) 1298.9,525.47 cw(c1336.54,525.47) R5.1@1309.92,552.09 ; R5.1@1309.92,556.02 cw(c1336.54,529.41) 1336.54,567.05 cw(c1336.54,604.69) R5.1@1309.92,578.07 ; 1506.38,567.05 cw(c1506.38,545.24) T5.1@1521.8,560.66 ; 1507.52,567.05 ccw(c1507.52,587.25) T5.1@1521.8,572.96
NetR5_2: R5.2 U4.14 | length 794
  Top Layer w20: U4.14 861.5,657.05 951.5,567.05 R5.2 ; R5.2@1213.07,556.02 ccw(c1186.46,529.41) 1186.46,567.05 ccw(c1186.46,604.69) R5.2@1213.07,578.07
NetR6_1: R6.1 R10.2 T6.1 | length 697.8
  Bottom Layer w20: R10.2@1213.07,552.09 cw(c1186.46,525.47) 1224.09,525.47 cw(c1261.73,525.47) R10.2@1235.12,552.09 ; R10.2 1224.09,494.45 1251.5,467.05 1286.5,467.05 1301.5,452.05 1301.5,389.65 R6.1 1552.32,387.05 T6.1 ; R6.1@1287.87,402.01 ccw(c1254.99,434.9) 1301.5,434.9 ; 1301.5,422.35 ccw(c1330.26,422.35) R6.1@1309.92,402.01 ; R6.1@1309.92,376.02 cw(c1336.54,349.41) 1336.54,387.05 cw(c1336.54,424.69) R6.1@1309.92,398.07 ; 1506.38,387.05 ccw(c1506.38,408.86) T6.1@1521.8,393.44 ; 1507.52,387.05 cw(c1507.52,366.85) T6.1@1521.8,381.13
NetR6_2: R6.2 U4.13 | length 1202.8
  Top Layer w20: U4.13 811.5,1057.05 v1(831.5,1077.05)
  Bottom Layer w20: v1(831.5,1077.05) 1126.5,1077.05 1151.5,1052.05 1151.5,417.05 1181.5,387.05 R6.2 ; R6.2@1213.07,376.02 ccw(c1186.46,349.41) 1186.46,387.05 ccw(c1186.46,424.69) R6.2@1213.07,398.07
NetR7_2: R7.2 U4.8 | length 193.8
  Top Layer w20: R7.2@510.47,1248.62 cw(c483.86,1222.01) 521.5,1222.01 cw(c559.13,1222.01) R7.2@532.52,1248.62 ; R7.2 521.5,1217.05 526.5,1212.05 U4.8
NetR8_2: R8.2 U4.5 | length 245.5
  Top Layer w20: U4.5@760.08,1238.46 ccw(c713.21,1285.33) 779.5,1285.33 ; U4.5 779.5,1230.05 779.5,1332.65 R8.2 ; R8.2@772.87,1322.09 cw(c756.89,1306.1) 779.5,1306.1 ; 779.5,1284.84 cw(c832.16,1284.84) R8.2@794.92,1322.09
NetR16_1: R16.1 U1.8 | length 258
  Bottom Layer w20: R16.1@593.07,1742.01 ccw(c536.52,1798.56) 616.5,1798.56 ; R16.1 616.5,1739.45 U1.8
NetR17_2: R17.2 R18.1 U1.5 | length 533.3
  Bottom Layer w20: U1.5 871.5,1917.05 891.5,1937.05 R17.2 R18.1 ; R17.2@880.47,2008.62 cw(c853.86,1982.01) 891.5,1982.01 cw(c929.13,1982.01) R17.2@902.52,2008.62 ; R17.2@906.46,2008.62 cw(c933.07,1982.01) 933.07,2019.65 cw(c933.07,2057.28) R17.2@906.46,2030.67 ; R18.1@1016.53,2008.62 ccw(c989.92,1982.01) 989.92,2019.65 ccw(c989.92,2057.28) R18.1@1016.53,2030.67
PGND1: D8.1 D9.1 R9.2 R10.1 R14.2 T5.3 T6.3 | length 5732.4
  Top Layer w60: v1(2076.5,2172.05) R14.2
  Top Layer w75: R9.2 1552.32,387.05 T5.3
  Top Layer w123: T5.3@1534.37,387.28 ccw(c1662.58,387.28) 1571.92,296.63 ; v1@1541.5,895.55 2324.06,895.55 2435,784.6 2435,288.37 2272.18,125.55 1900.55,125.55 1885,110 1758.54,110 D9.1 1552.56,315.98 ; 1552.56,350.43 ccw(c1739.96,350.43) D9.1@1607.45,217.92 ; T5.3 1552.56,315.98 ; D9.1@1613.67,213.27 cw(c1669.43,315.98) 1552.56,315.98
  Bottom Layer w75: R10.1 1552.32,567.05 T6.3 1601.5,615.75 D8.1 v1(1601.5,892.05) 1601.5,1127.05 1611.5,1137.05 1901.5,1137.05 2071.5,1307.05 v1(2071.5,2217.05) v1(2071.5,2262.05) ; T6.3@1558.37,566.81 cw(c1572.39,566.81) T6.3@1562.47,576.72 ; T6.3@1590.46,553.52 ccw(c1563.81,580.17) 1601.5,580.17 cw(c1563.81,580.17) T6.3@1590.46,553.52
  other v1: 1671.5,887.05 1491.5,892.05 1541.5,892.05
PWM1: U2.18 U4.3 | length 1236.9
  Top Layer w20: U4.3 861.5,1527.05 880.28,1545.83 1305.28,1545.83 1361.5,1489.62 1361.5,1232.05 1376.5,1217.05 U2.18
PWM2: U2.16 U4.4 | length 1208.8
  Top Layer w20: U4.4 811.5,1281.24 829.49,1299.24 829.49,1544.05 829,1544.55 861.5,1577.05 1316.5,1577.05 1391.5,1502.05 1391.5,1352.05 1426.5,1317.05 U2.16
pads on no net: P3.6 U2.3 U2.5 U2.7 U2.9 U2.11 U2.12 U2.13 U2.14 U2.15 U2.17 U2.19

## Polygon pours and split planes (outlines as drawn)
AGND on Top Layer "Keep-Out Layer-No Net" (hatched 90Degree grid 20 track 8, remove dead copper, pour order 12): -135,2690 -130,2695 3130,2695 3130,195 2665,-270 2510,-115 -410,-115
AGND on Bottom Layer "Keep-Out Layer-No Net" (hatched 90Degree grid 20 track 8, remove dead copper, pour order 14): -210,2695 -135,2620 2745,2620 2745,-110 2650,-205 2615,-240 -280,-240 -280,125 -335,180

## Keep-outs
Keep-Out Layer:
  lines w10: 54.06,0.94 cw(c54.06,55) 0,55 0,2505 cw(c54.06,2505) 54.06,2559.06 2575,2559.06 cw(c2570.47,2509.53) 2620,2505 2620,2380 2620,115 2620,50 cw(c2572.5,47.5) 2575,0 2505,0 55,0

## Other copper
Top Layer:
  text "集大逸兴队" at 210,1835 h100
  text "2019年6月" at 270,1735 h75
  text "黄国强  张志星  何昕桐" at 140,1630 h75
Bottom Layer:
  region net 7.2V: 631.5,557.05 631.5,372.05 851.5,372.05 851.5,557.05
  rectangle net M1: 1051.5,807.05 1121.5,1012.05
  rectangle net 12V: 1036.5,2072.05 1231.5,2127.05
  rectangle net AGND: 826.5,2262.05 971.5,2322.05
  rectangle net 12V: 1116.5,1412.05 1301.5,1512.05
  region net PGND1: 2101.5,2282.05 2051.5,2282.05 2051.5,2152.05 2101.5,2152.05
  rectangle net DGND: 1771.5,2117.05 1841.5,2272.05
  rectangle net 7.2V: 1006.5,1682.05 1141.5,1762.05
  rectangle net DGND: 276.5,1297.05 466.5,1392.05
  rectangle net PGND1: 1476.5,837.05 1706.5,952.05
  rectangle net M2: 1016.5,27.05 1356.5,142.05

## Silkscreen, mask and mechanical layers (free items; w line width, h text height)
Top Overlay:
  text "-" at 2570,1965 h60 r90
  text "+" at 2580,1770 h60 r90
Top Solder:
  text "集大逸兴队" at 210,1835 h100
  text "2019年6月" at 270,1735 h75
  text "黄国强  张志星  何昕桐" at 140,1630 h75

## Text inside footprints (layer, text, board x,y; h text height)
P1: Top Overlay "V" at 2384.61,625.79 h35 r90; Top Overlay "V" at 2384.61,428.94 h35 r90
P3: Top Overlay "1" at 2291.5,1102.05 h35 r90; Top Overlay "2" at 2191.5,1082.05 h35 r90; Top Overlay "5" at 2291.5,1442.05 h35 r90; Top Overlay "6" at 2191.5,1442.05 h35 r90
P4: Top Overlay "V" at 2278.39,1818.31 h35 r270; Top Overlay "V" at 2278.39,2015.16 h35 r270